# Altium PCB netv2mvp-dvt1a.PCBDOC (part 1 of 6)
Units mm, origin at the board's own origin, x right, y up, seen from the top; angles counter-clockwise.
Board outline 90 x 100 mm, 6 copper layers (L1, L2, L3, L4, L5, L6), stack 1.542 mm thick; 329 components, 277 nets, 2092 pads, 848 vias.
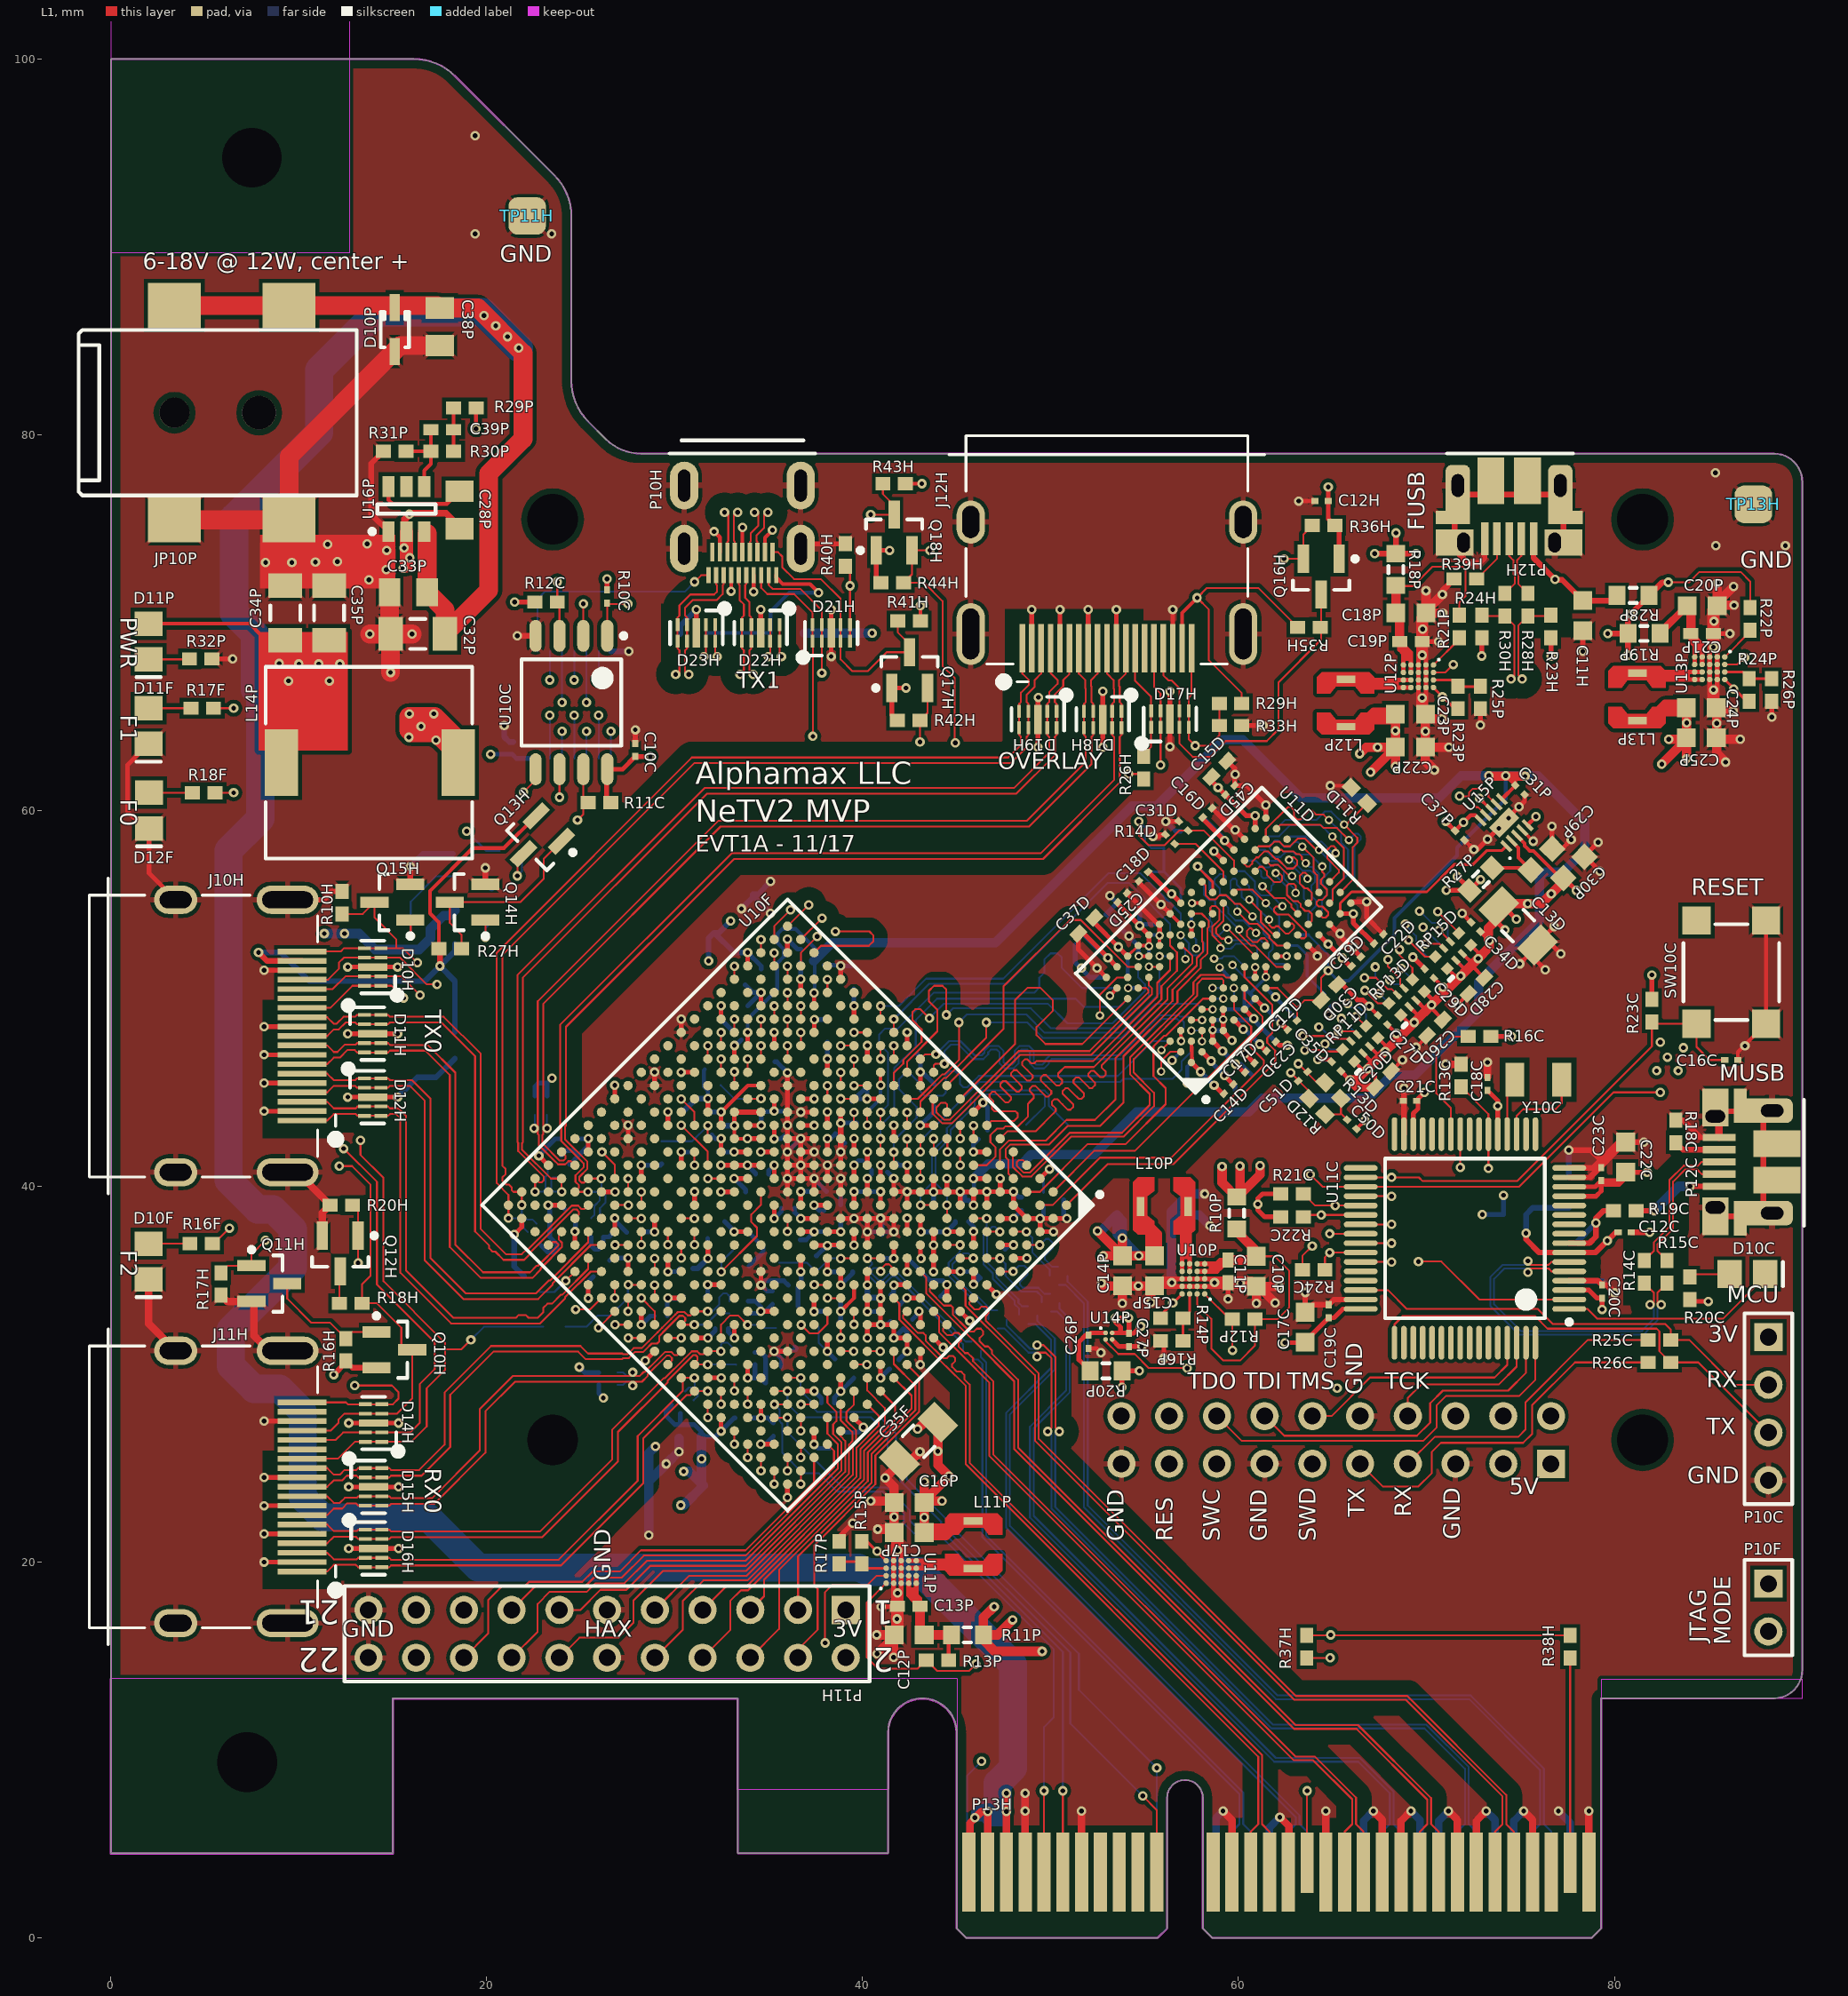
[diagram p0: L1 view]
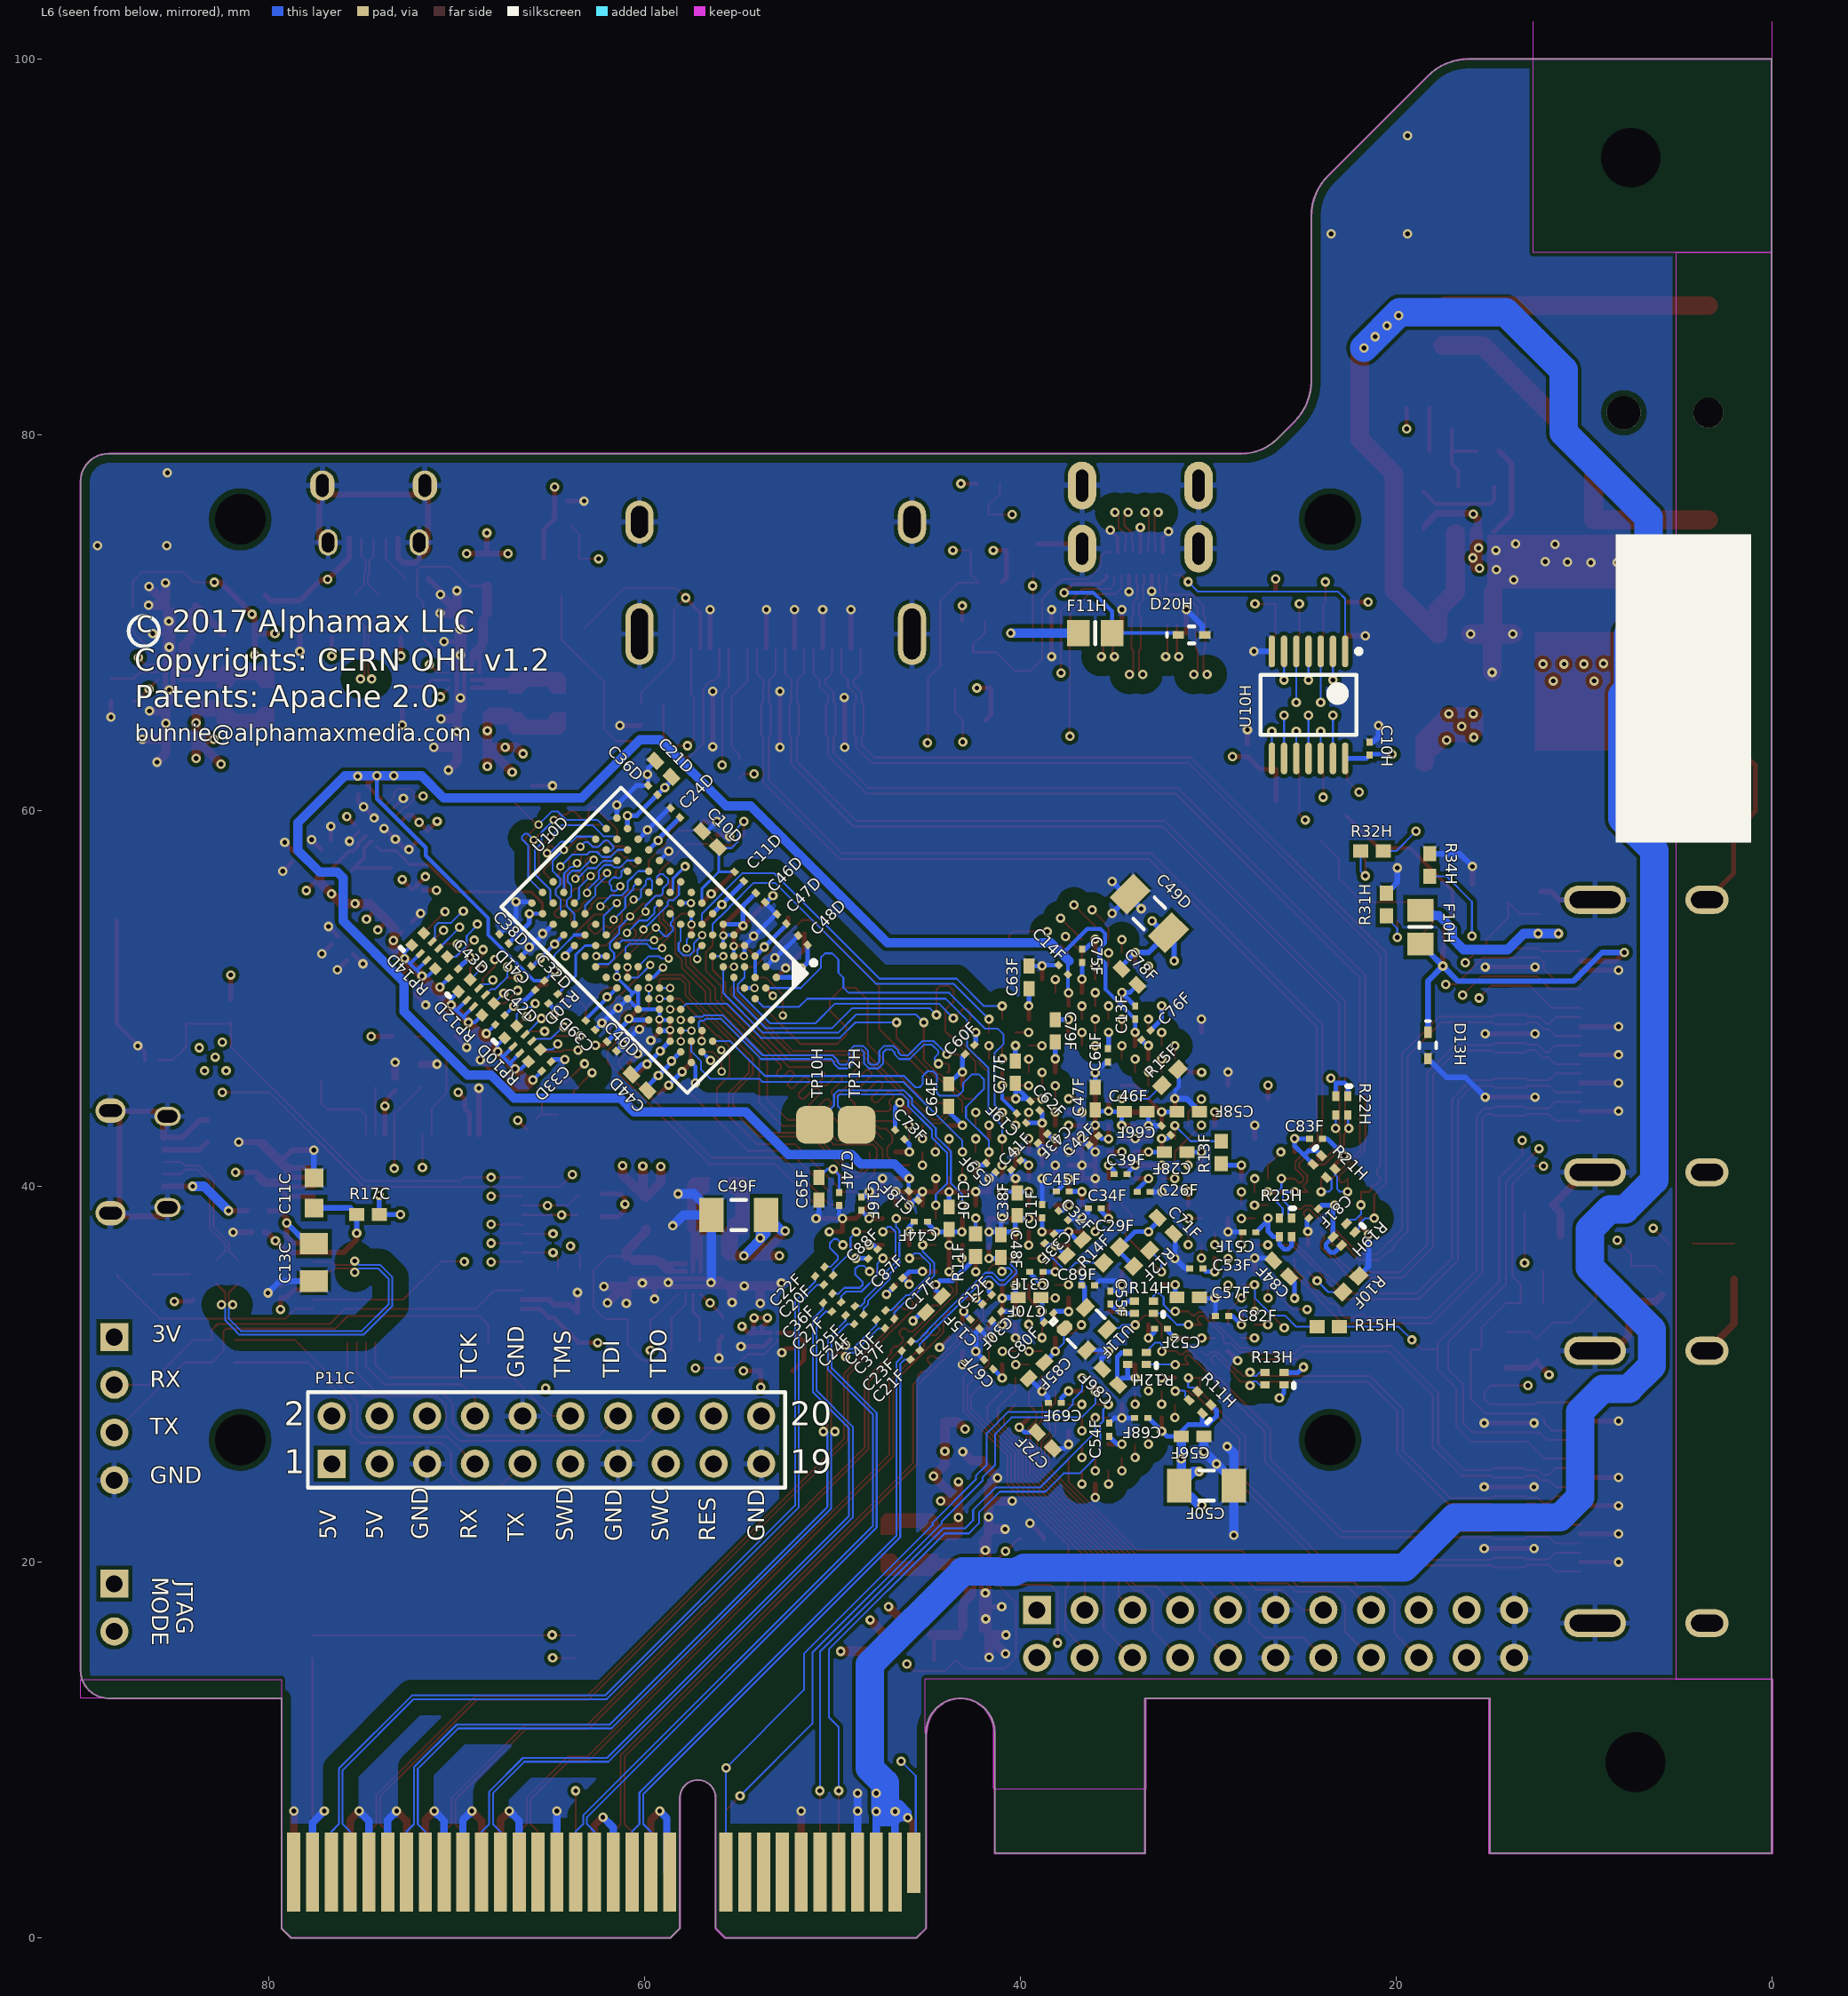
[diagram p1: L6 view, seen from below]
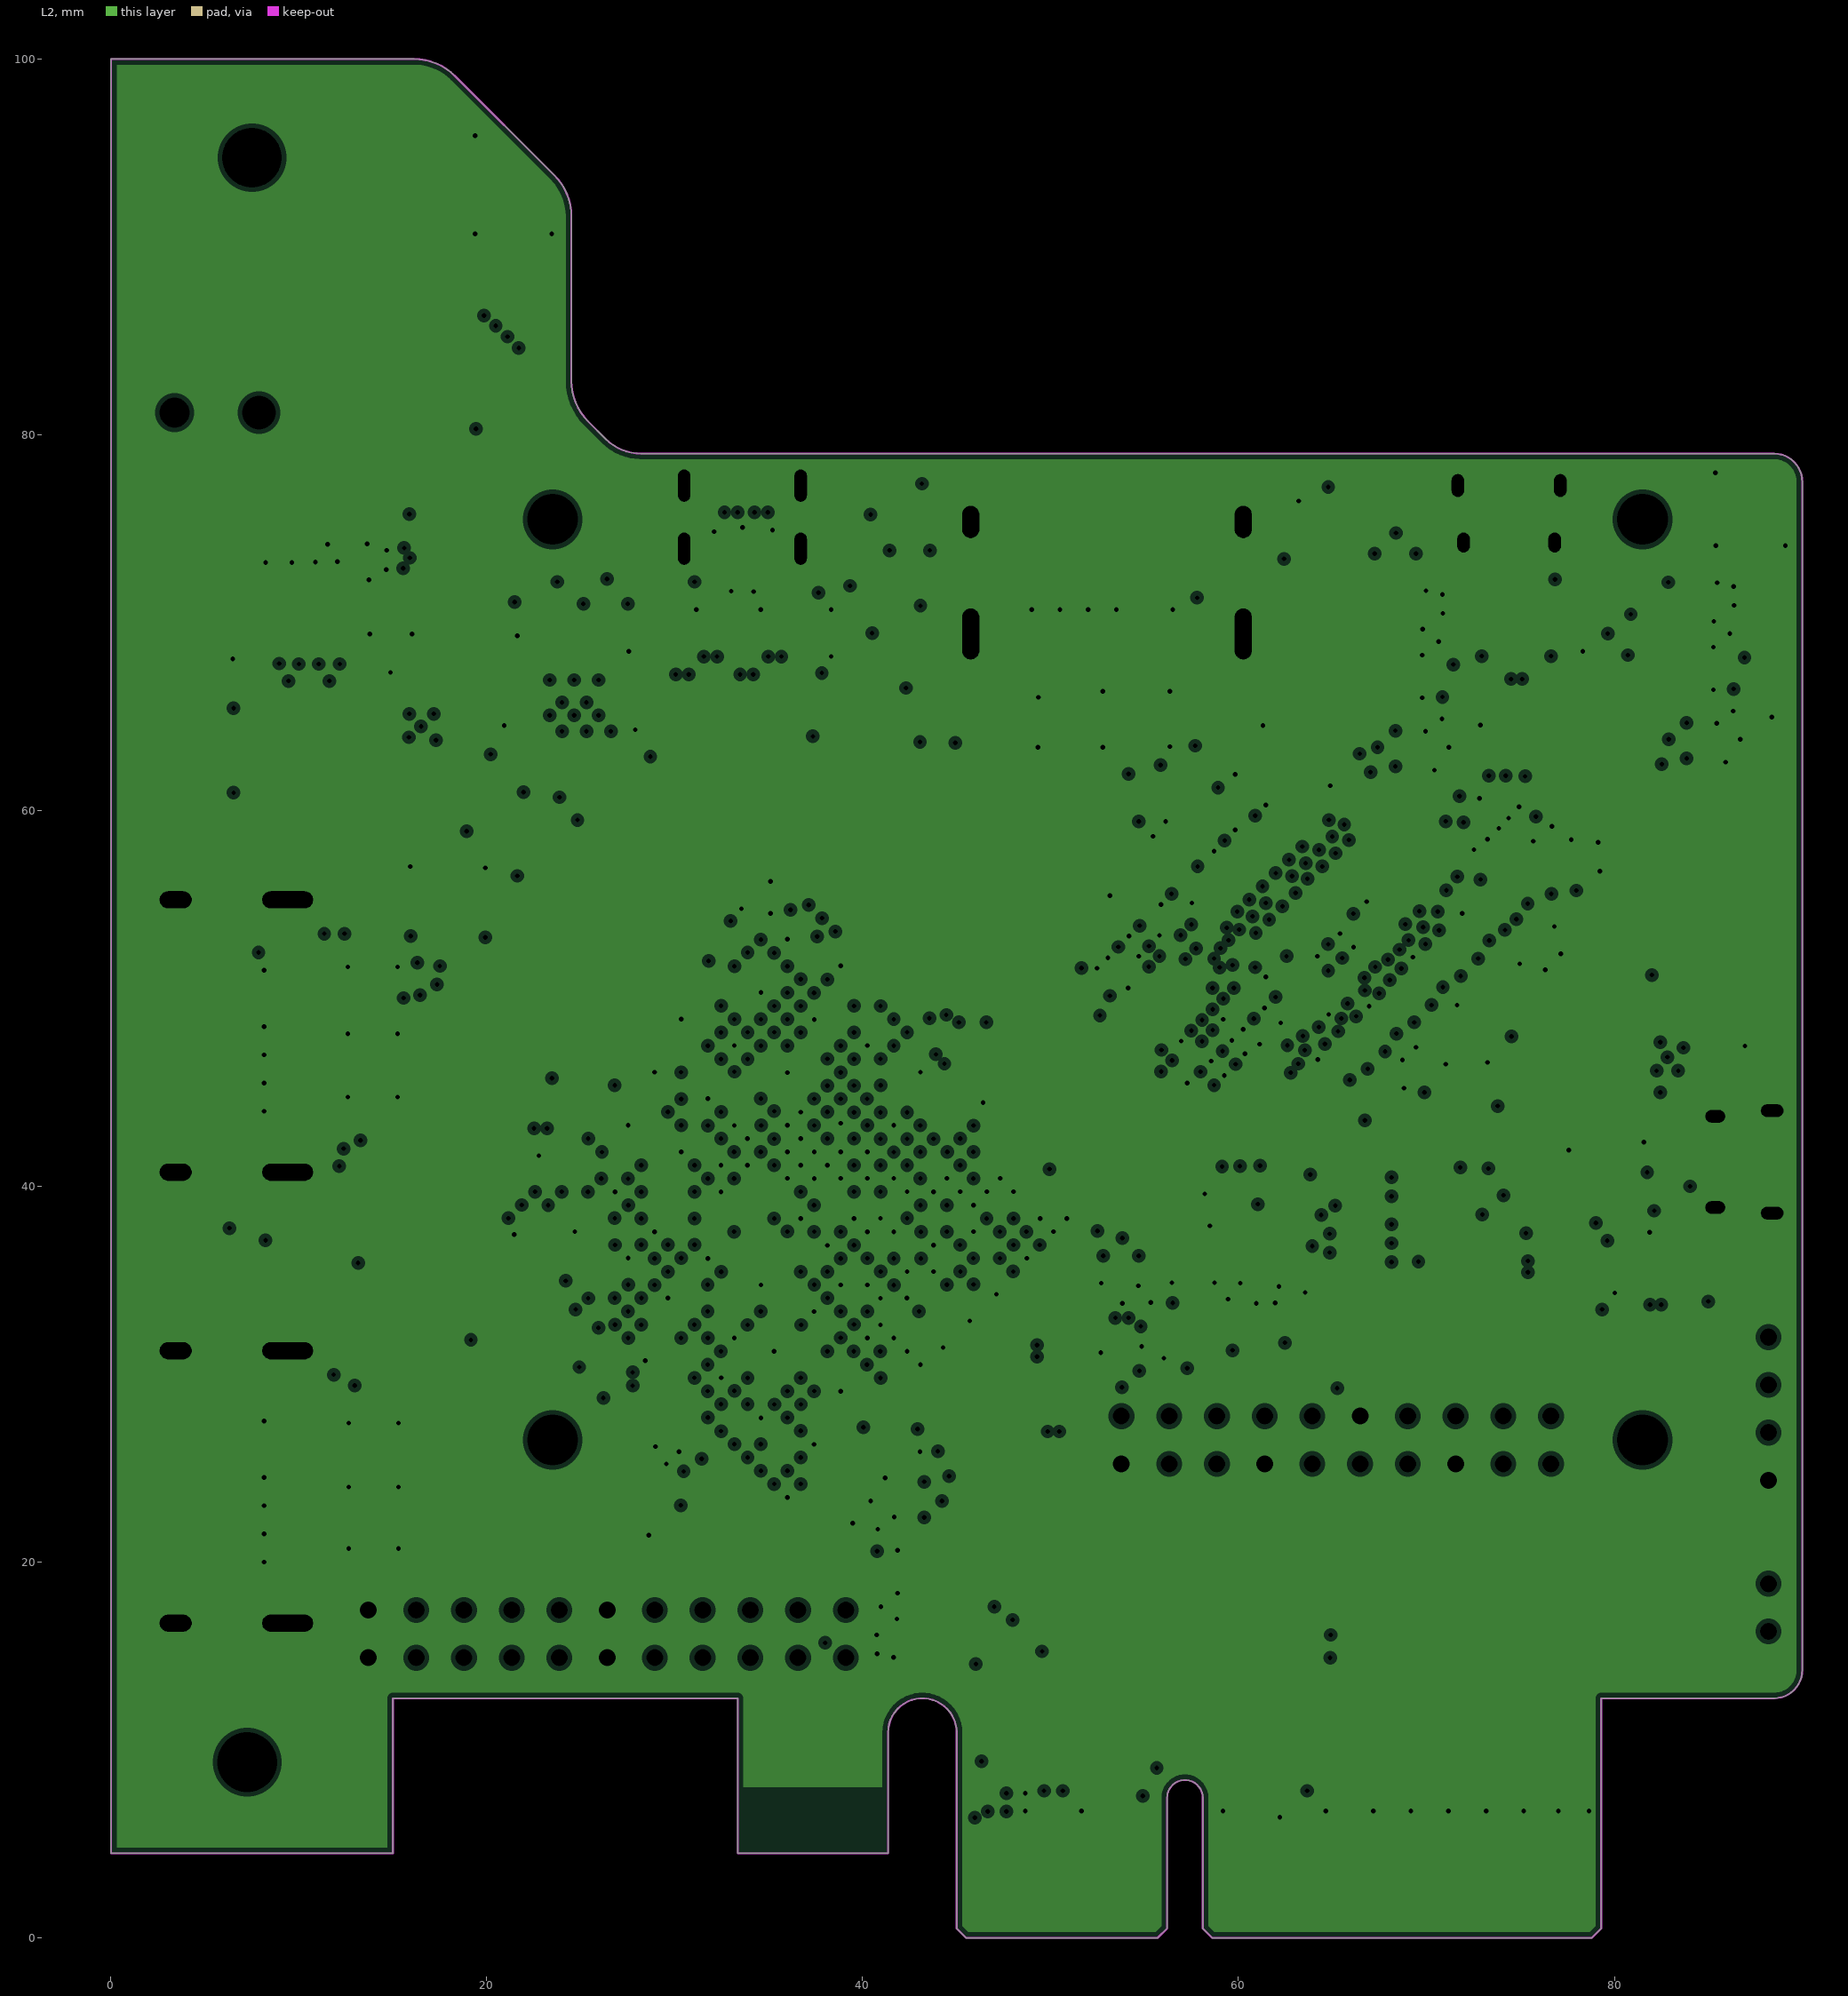
[diagram p2: L2, clearances drawn from the general rule]
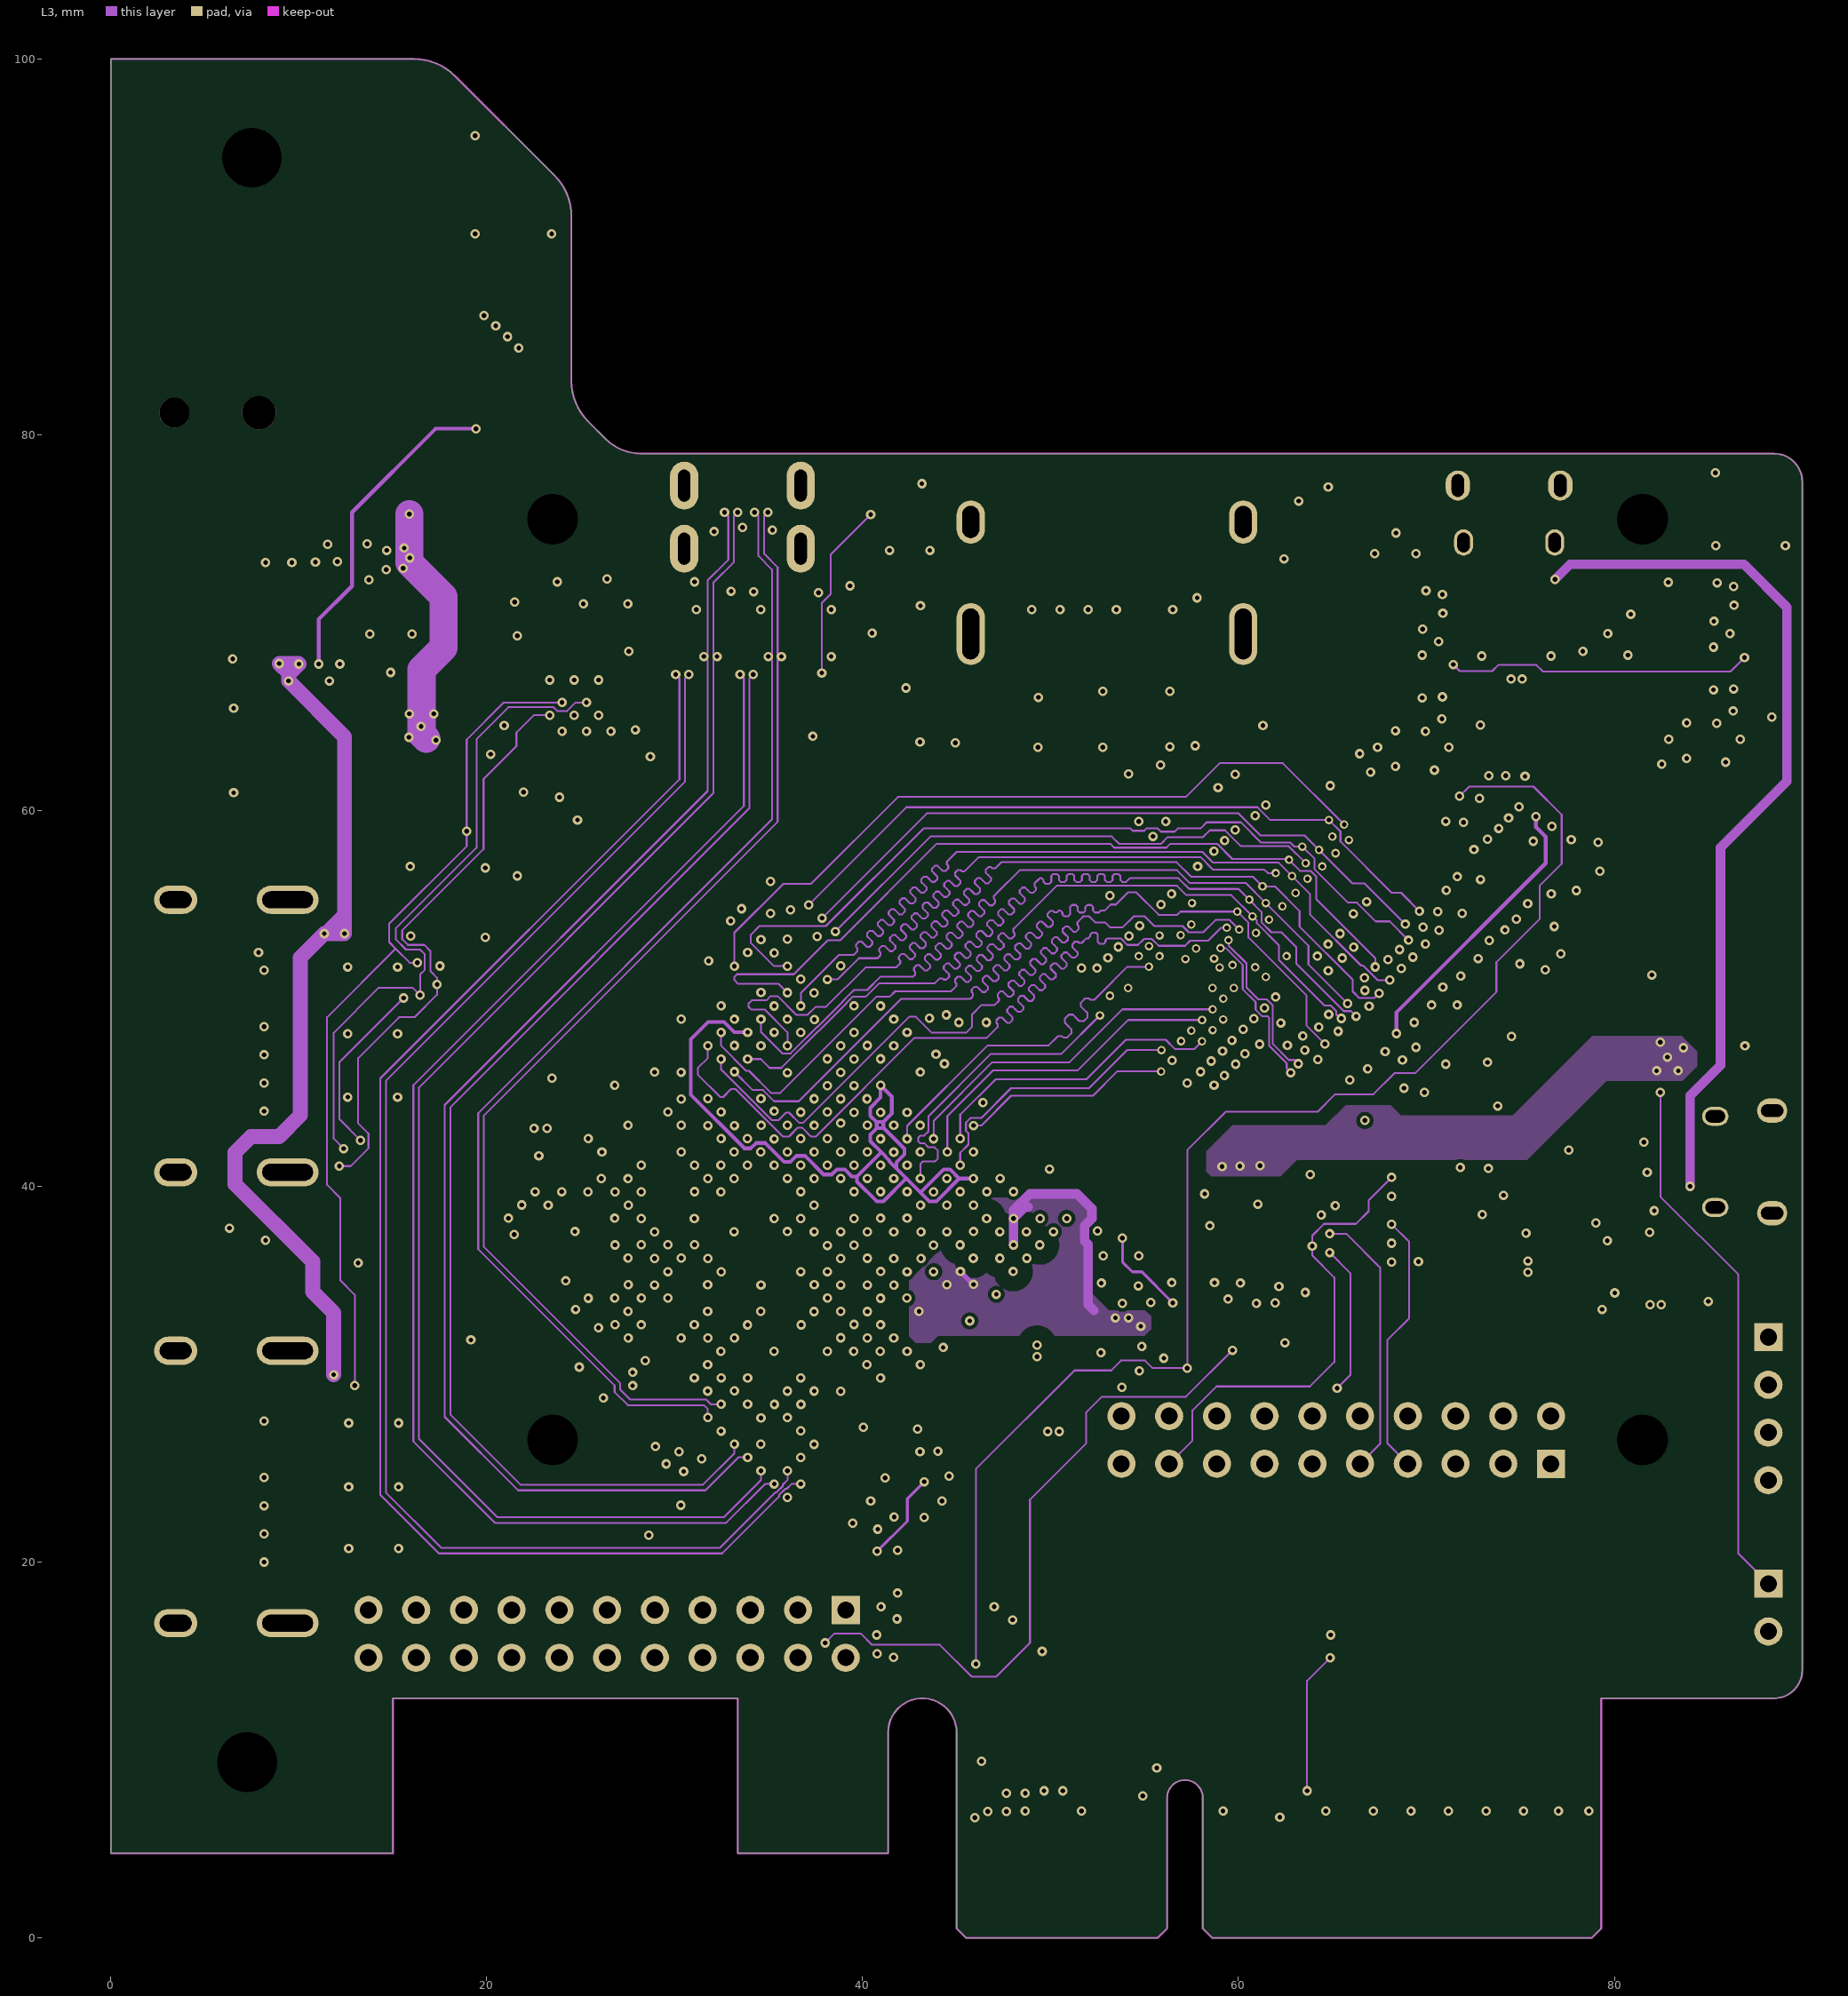
[diagram p3: L3]